# Altium PCB Booster_Main_Board.PcbDoc (part 6 of 13) (continued)
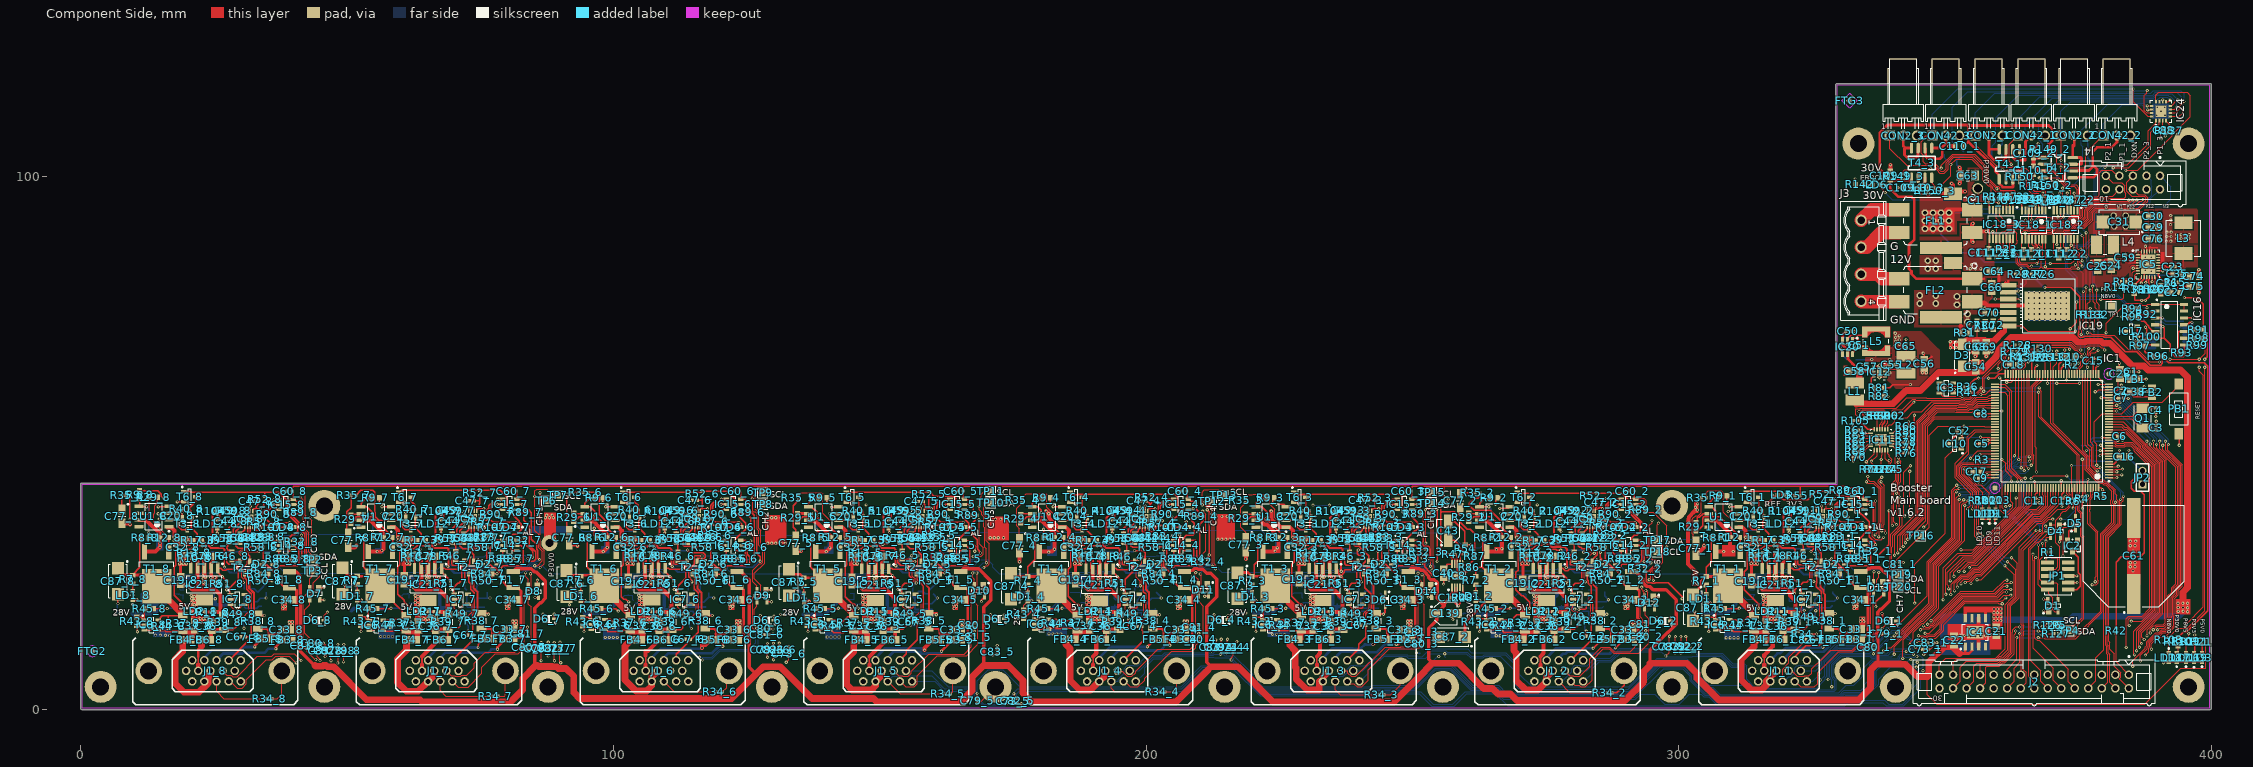
[diagram p0: Component Side view]
## Nets (pads, with @x,y where several pads share a name; then routed paths per layer and width w, separated by ;. In a path a pad name is that pad's centre, name@x,y a point inside that pad or via, vN(x,y) a via of type N, cw(c..) or ccw(c..) an arc to the next point about the centre after c; other vN are vias at no path point) (continued)
; v1@385.314,82.857 IC5.6@386.208,82.857 ; v1(386.483,78.4) 386.521,78.362 R16.1@387.27,78.362 ; C38.1@386.539,59.69 386.521,59.708 387.358,60.546 v1(387.358,60.582) ; v1(388.858,80.317) IC5.13@388.858,81.207 ; v1(389.534,55.042) C4.2@389.534,55.76 ; C3.2@389.636,53.358 v1(389.636,54.127) ; IC5.16@390.008,82.357 v1(390.846,82.357) ; C88.1@391.036,108.283 C88.1@391.059,108.26 ; v1(391.338,107.671) 391.338,107.764 391.219,107.883 391.219,108.1 C88.1@391.059,108.26 ; R137.1@392.071,108.236 392.047,108.26 C88.1@391.059,108.26 ; v1(393.954,49.632) PB1.2@393.954,51.84 ; IC16.11@394.852,72.254 395.459,72.254 395.895,72.69 v1(396.352,72.69) ; IC16.12@394.852,73.524 v1(396.449,73.524) ; R99.1@397.762,68.372 397.88,68.254 v1(398.227,68.254) ; R43_7.1@52.395,15.824 52.346,15.775 R43_7.1@52.396,15.775 ; R43_7.1@52.396,15.775 R43_7.1@52.617,15.554
  Component Side w0.559: LD1_8.1@9.728,20.604 10.432,20.604 v1(10.496,20.669) ; v1(18.593,27.381) 18.728,27.246 C19_8.1@18.728,25.154 ; LD1_7.1@51.9,20.487 52.603,20.487 v1(52.668,20.552) ; C19_7.1@60.757,25.259 60.757,27.625 v1(61.177,28.045) ; LD1_6.1@93.874,20.411 94.578,20.411 v1(94.643,20.476) ; v1(102.593,27.41) 102.819,27.184 C19_6.1@102.819,25.03 ; C19_5.1@144.78,25.005 144.78,26.988 v1(145.202,27.41) ; LD1_4.1@177.773,20.335 178.476,20.335 v1(178.541,20.4) ; v1(186.593,27.41) 186.766,27.237 C19_4.1@186.766,25.259 ; LD1_3.1@219.888,20.376 220.591,20.376 v1(220.656,20.441) ; v1(228.593,27.41) 228.727,27.276 C19_3.1@228.727,25.386 ; LD1_2.1@261.874,20.411 261.936,20.473 262.618,20.473 v1(262.626,20.481) ; v1(270.593,27.41) 270.713,27.29 C19_2.1@270.713,24.598 ; LD1_1.1@305.262,20.007 305.94,20.007 305.958,20.024 v1(305.969,20.024) ; C19_1.1@313.69,25.005 313.69,27.051 313.766,27.127 ; FL2.4@355.078,76.554 357.308,76.554 357.608,76.254
  Component Side w0.762: C77_8.2@7.728,34.954 7.762,34.921 9.062,34.921 v1(9.228,34.754) ; C77_7.2@50.228,30.454 51.428,30.454 v1(51.728,30.754) ; C77_6.2@91.728,30.954 93.028,30.954 v1(93.228,30.754) ; C77_5.2@134.228,29.954 134.428,29.754 v1(135.228,29.754) ; LD1_5.1@135.758,20.127 136.601,20.127 v1(136.728,20.254) ; v1(176.228,27.754) C77_4.2@176.228,29.454 ; v1(218.728,28.254) C77_3.2@218.728,29.663 ; v1(258.958,36.699) C77_2.2@258.958,37.899 ; C77_1.2@303.228,28.954 304.728,30.454 v1(304.728,30.754) ; C109_1.1@339.728,101.054 v1(339.728,102.254) ; v1(349.328,97.154) 349.328,96.854 FL1.4@351.478,96.854 ; v1(350.728,105.754) C110_1.1@351.928,105.754 ; v1(351.228,98.754) 351.478,98.504 FL1.4@351.478,96.854 ; v1(352.728,98.754) 352.828,98.854 C63.1@352.828,100.254 352.828,101.654 v1(352.728,101.754) ; R31.1@352.928,70.754 352.928,71.954 352.978,72.004 ; v1(353.728,97.254) 353.009,97.254 352.609,96.854 FL1.4@351.478,96.854 ; v1(354.703,65.279) 354.728,65.254 C54.2@355.753,65.254 356.978,65.254 v1(357.028,65.304) ; v1(354.703,67.179) C68.1@355.753,67.179 355.753,66.354 v1(355.678,66.279) ; FL2.4@355.078,76.554 355.378,76.254 357.608,76.254 358.038,75.824 IC19.4@361.853,75.824 IC19.8@369.158,75.824 ; v1(355.228,87.754) 355.078,87.904 FL1.4@355.078,89.554 ; v1(355.228,91.254) 355.078,91.104 FL1.4@355.078,89.554 ; IC4.3@356.311,11.853 356.311,13.868 v2(355.676,14.503) 356.311,15.138 IC4.6@356.311,17.153 ; v1(357.728,66.304) C69.1@357.728,67.204 358.728,67.204 v1(358.753,67.179) ; v1(357.728,89.754) 356.794,89.754 356.594,89.554 FL1.4@355.078,89.554 ; v1(377.428,84.054) 377.451,84.077 C25.1@378.65,84.077 379.906,84.077 380.083,84.254 C24.1@381.228,84.254 v1(382.328,84.254) ; v1(397.628,78.254) C75.1@397.628,79.486 ; C74.1@397.628,81.353 v1(397.628,82.554)
  Signal Layer 1 w0.254: v1(256.728,39.504) 257.224,40 271.982,40 273.433,38.549 v1(273.433,38.413) ; v1(356.26,42.774) v1@356.311,42.774
  Solder Side w0.152: IC25.12@389.4,72.923 389.476,72.847 390.804,72.847 391.289,72.362 393.616,72.362 394.274,71.704 IC25.4@394.767,71.704
  Solder Side w0.254: C45_8.2@6.846,18.046 6.846,19.671 6.982,19.808 v1(6.982,19.901) ; R123_8.1@19.261,19.803 20.446,19.803 20.709,20.066 v1(20.803,20.066) ; C84_8.2@25.973,22.338 25.973,21.219 26.319,20.873 29.038,20.873 v1(29.239,20.672) ; J1_8.15@29.558,9.205 J1_8.15@29.765,9.205 ; IC22_8.3@30.633,17.557 C85_8.2@30.633,16.197 30.633,15.279 v1(30.646,15.265) ; IC22_8.5@32.533,20.257 33.085,20.257 33.731,20.904 34.823,20.904 v1(34.783,20.945) C86_8.2@34.783,22.021 ; v1(49.589,23.317) 51.195,23.317 C89_7.2@51.297,23.419 ; C45_7.2@50.825,21.465 50.941,21.465 51.714,22.238 51.714,23.179 51.5,23.393 C89_7.2@51.322,23.393 ; R123_7.1@61.641,19.941 62.673,19.941 62.673,19.912 62.803,20.042 v1(62.803,20.095) ; C84_7.2@68.378,22.394 68.378,20.904 68.581,20.701 v1(71.239,20.701) ; IC22_7.3@72.478,17.401 72.428,17.351 C85_7.2@72.428,16.051 72.72,15.759 v1(72.72,14.707) ; IC22_7.5@74.378,20.101 74.378,20.851 74.461,20.933 76.308,20.933 ; C86_7.2@76.328,22.054 76.328,20.953 76.308,20.933 ; v1(76.823,20.933) 76.308,20.933 ; C45_6.2@91.674,18.175 91.674,19.621 v1(91.728,19.675) ; R123_6.1@103.758,19.531 103.778,19.531 104.159,19.912 104.644,19.912 104.803,20.071 v1(104.803,20.095) ; C84_6.2@110.466,22.064 110.466,20.627 110.728,20.364 IC23_6.1@111.685,20.364 ; IC23_6.1@111.542,20.273 112.759,20.273 v1(113.096,20.61) ; IC22_6.3@114.17,17.414 114.17,15.988 114.328,15.83 114.328,15.519 v1(114.632,15.215) ; IC22_6.5@116.07,20.114 116.939,20.114 117.92,21.095 ; C86_6.2@117.92,21.964 117.92,21.095 ; v1(118.823,20.933) 118.662,21.095 117.92,21.095 ; v1(131.356,17.854) C45_5.2@132.778,17.854 ; R123_5.1@145.177,19.799 146.413,19.799 146.709,20.095 v1(146.803,20.095) ; C84_5.2@152.278,22.254 152.278,20.756 152.586,20.448 154.986,20.448 v1(155.239,20.701) ; v1(155.782,15.754) 156.618,15.754 C85_5.2@156.578,15.794 IC22_5.3@156.578,17.144 ; IC22_5.5@158.478,19.844 159.734,19.844 v1(160.823,20.933) 160.028,21.728 C86_5.2@160.028,21.784 ; C45_4.2@175.436,18.371 175.468,18.338 v1(175.468,16.621) ; R123_4.1@187.704,20.095 v1(188.803,20.095) ; C84_4.2@193.978,22.189 193.978,20.923 194.282,20.619 197.157,20.619 v1(197.239,20.701) ; v1(197.626,15.592) C85_4.2@198.325,15.592 198.378,15.539 IC22_4.3@198.378,17.059 ; J1_4.15@197.804,9.48 J1_4.15@198.011,9.48 ; IC22_4.5@200.278,19.759 200.278,20.126 201.086,20.933 v1(202.823,20.933) 202.823,21.063 C86_4.2@201.908,21.979 ; C45_3.2@217.278,18.13 v1(218.728,18.13) ; R123_3.1@229.372,20.038 230.746,20.038 v1(230.803,20.095) ; C84_1.2@235.979,22.304 235.979,21.054 236.332,20.701 v1(239.239,20.701) ; v1(239.2,15.853) 239.982,15.853 C85_3.2@240.028,15.807 240.278,16.057 IC22_3.3@240.278,17.157 ; J1_3.15@239.804,9.48 J1_3.15@240.011,9.48 ; IC22_3.5@242.178,19.857 243.748,19.857 v1(244.823,20.933) 244.823,20.972 C86_3.2@243.928,21.867 ; C82_3.2@250.778,11.374 250.758,11.354 250.758,10.674 v1(250.738,10.654) 250.804,10.588 251.338,10.588 C79_3.2@251.44,10.485 ; v1(256.528,38.054) 256.728,38.254 v1(256.728,39.504) ; C45_2.2@259.403,17.885 259.641,18.123 260.553,18.123 260.697,18.267 v1(260.771,18.267) ; R123_2.1@271.342,19.941 272.649,19.941 v1(272.803,20.095) ; C84_3.2@278.078,22.331 278.078,20.708 278.155,20.631 281.169,20.631 v1(281.239,20.701) ; J1_2.15@282.05,9.234 J1_2.15@282.623,9.234 ; IC22_2.3@282.328,17.53 282.328,15.03 v1(282.626,14.732) ; IC22_2.5@284.228,20.23 286.397,20.23 v1(286.791,20.625) 286.089,21.328 C86_2.2@286.089,22.13 ; C45_1.2@301.89,18.136 302.076,18.322 v1(302.986,18.322) ; R123_1.1@314.039,19.764 314.892,19.764 314.969,19.841 315.639,19.841 315.803,20.005 v1(315.803,20.095) ; C84_2.2@320.757,21.953 320.757,20.442 320.846,20.353 323.891,20.353 v1(324.239,20.701) ; C85_1.2@325.522,16.244 IC22_1.3@325.522,17.614 325.638,17.73 325.638,18.476 v1(325.704,18.542) ; IC22_1.5@327.422,20.314 329.204,20.314 v1(329.823,20.933) 328.88,21.876 C86_1.2@328.88,22.072 ; R125.2@330.749,70.154 331.072,69.831 333.378,69.831 333.48,69.729 v1(333.574,69.729) ; CON2_3.3@344.379,107.434 CON2_3.3@344.694,107.749 ; v1(352.728,101.754) 352.225,102.257 T11.2@352.225,103.292 352.425,103.292 352.623,103.49 352.623,103.597 352.798,103.772 R139.1@353.489,103.772 ; T7.2@360.63,103.899 360.63,104.099 359.961,104.768 359.961,105 R134.1@359.798,105.163 359.798,105.183 360.769,106.154 CON2_1.3@360.769,107.774 ; T8.2@366.403,103.599 366.403,104.383 366.106,104.68 366.086,104.68 365.923,104.843 R135.1@365.923,104.863 365.923,104.883 366.823,105.784 366.958,105.784 v1(367.462,106.288) ; CON42_1.3@368.769,107.774 368.769,107.329 369.269,106.828 R136.1@369.269,104.882 369.269,104.862 369.687,104.444 369.687,103.816 T9.2@369.885,103.618 ; R121.2@373.628,65.738 374.549,65.738 374.977,65.31 v1(374.977,65.004) ; 375.541,49.537 375.634,49.63 ; v1(376.552,48.654) R120.2@377.38,48.654 ; CON2_2.3@376.794,107.774 376.787,107.767 376.787,103.545 R138.1@376.78,103.539 376.78,103.519 377.118,103.181 377.118,102.463 T10.2@377.306,102.275 ; 377.363,50.635 377.777,51.049 v1(379.431,51.049)
  Solder Side w0.559: C89_1.2@9.754,21.861 C89_1.2@9.754,21.946 ; v1@10.489,20.677 v1(10.496,20.669) ; v1@92.075,22.733 92.468,22.733 93.258,21.943 C89_6.2@93.258,21.768 93.258,21.593 94.353,20.498 v1@94.64,20.498 ; v1@134.518,22.504 134.657,22.504 135.396,21.765 C89_5.2@135.396,21.59 135.396,21.415 136.568,20.244 v1@136.652,20.244 ; v1@176.225,21.92 C89_8.2@177.281,21.92 177.281,21.745 178.511,20.515 v1@178.511,20.472 ; v1@217.957,22.428 218.107,22.278 219.225,22.278 219.47,22.033 C89_2.2@219.47,21.869 219.47,21.694 220.65,20.515 v1@220.65,20.498 ; C89_3.2@261.457,21.819 261.457,21.644 262.56,20.54 v1@262.56,20.447 ; C89_4.2@304.179,21.996 304.179,21.821 305.969,20.031 v1(305.969,20.024) ; v1@385.75,69.266 386.22,68.796 R143.1@387.274,68.796 ; R143.1@387.426,68.504 388.087,67.843 IC25.8@389.4,67.843 ; R143.1@387.463,68.936 387.641,69.113 IC25.9@389.4,69.113 ; IC25.7@394.8,67.843 397.84,67.843 v1@398.221,68.224 ; IC25.6@394.8,69.113 396.421,69.113 396.748,68.786 396.748,67.894 ; IC25.5@394.8,70.383 396.141,70.383 396.469,70.711 396.469,71.445 ; IC25.4@394.8,71.653 396.36,71.653 ; v1@396.367,72.695 396.36,72.688 396.36,71.653 ; 396.443,71.679 396.418,71.653 396.36,71.653
  other v1: 311.125,13.464 308.894,13.474 309.632,13.474 310.377,13.474 100.705,13.535 98.474,13.546 99.212,13.546 99.957,13.546 142.339,13.613 140.108,13.623 140.846,13.623 141.591,13.623 56.282,13.718 57.02,13.718 57.765,13.718 58.513,13.708 265.719,13.861 266.457,13.861 267.202,13.861 267.95,13.851 357.607,13.868 16.684,13.892 358.394,13.894 353.593,13.919 15.874,13.949 352.781,13.97 14.03,13.984 14.945,13.984 225.971,14.094 223.74,14.104 224.478,14.104 225.223,14.104 184.002,14.2 181.771,14.21 182.509,14.21 183.254,14.21 39.116,15.824 39.751,15.824 291.109,15.926 291.744,15.926 81.128,15.977 81.763,15.977 207.137,15.977 207.772,15.977 165.1,16.002 165.735,16.002 249.098,16.002 249.733,16.002 123.114,16.027 123.749,16.027 39.116,16.408 22.428,16.434 23.622,16.434 39.7,16.434 23.038,16.459 64.428,16.463 65.622,16.463 106.428,16.463 107.622,16.463 148.428,16.463 149.622,16.463 190.428,16.463 191.622,16.463 232.428,16.463 233.622,16.463 274.428,16.463 275.622,16.463 317.428,16.463 318.622,16.463 65.038,16.488 107.038,16.488 149.038,16.488 191.038,16.488 233.038,16.488 275.038,16.488 318.038,16.488 291.109,16.51 334.112,16.51 334.747,16.51 291.694,16.535 81.128,16.561 207.137,16.561 81.712,16.586 165.1,16.586 207.721,16.586 249.098,16.586 123.114,16.612 165.684,16.612 249.682,16.612 123.698,16.637 23.597,17.018 22.403,17.043 23.012,17.043 65.597,17.047 107.597,17.047 149.597,17.047 191.597,17.047 233.597,17.047 275.597,17.047 318.597,17.047 64.403,17.072 65.012,17.072 106.403,17.072 107.012,17.072 148.403,17.072 149.012,17.072 190.403,17.072 191.012,17.072 232.403,17.072 233.012,17.072 274.403,17.072 275.012,17.072 317.403,17.072 318.012,17.072 334.112,17.094 334.696,17.12 66.105,17.403 66.714,17.403 108.105,17.403 108.714,17.403 150.105,17.403 150.714,17.403 192.105,17.403 192.714,17.403 234.105,17.403 234.714,17.403 276.105,17.403 276.714,17.403 319.105,17.403 319.714,17.403 21.717,17.577 63.717,17.606 105.717,17.606 147.717,17.606 189.717,17.606 231.717,17.606 273.717,17.606 316.717,17.606 20.98,17.805 62.98,17.834 104.98,17.834 146.98,17.834 188.98,17.834 230.98,17.834 272.98,17.834 315.98,17.834 37.948,18.948 79.948,18.977 121.948,18.977 163.948,18.977 205.948,18.977 247.948,18.977 289.948,18.977 332.948,18.977 20.904,19.202 62.904,19.231 104.904,19.231 146.904,19.231 188.904,19.231 230.904,19.231 272.904,19.231 315.904,19.231 21.717,19.253 63.717,19.282 105.717,19.282 147.717,19.282 189.717,19.282 231.717,19.282 273.717,19.282 316.717,19.282 38.405,19.355 80.405,19.384 122.405,19.384 164.405,19.384 206.405,19.384 248.405,19.384 290.405,19.384 258.609,19.454 37.846,19.609 79.846,19.638 121.846,19.638 163.846,19.638 205.846,19.638 247.846,19.638 289.846,19.638 332.846,19.638 21.285,19.685 63.285,19.714 105.285,19.714 147.285,19.714 189.285,19.714 231.285,19.714 273.285,19.714 316.285,19.714 21.311,20.447 63.311,20.476 105.311,20.476 147.311,20.476 189.311,20.476 231.311,20.476 273.311,20.476 316.311,20.476 20.828,20.803 62.828,20.832 104.828,20.832 146.828,20.832 188.828,20.832 230.828,20.832 272.828,20.832 315.828,20.832 21.311,21.158 63.311,21.187 105.311,21.187 147.311,21.187 189.311,21.187 231.311,21.187 273.311,21.187 316.311,21.187 20.752,21.438 62.76,21.461 104.752,21.467 146.752,21.467 188.752,21.467 230.752,21.467 272.752,21.467 315.752,21.467 23.444,23.495 191.503,23.477 65.444,23.524 107.444,23.524 149.444,23.524 233.444,23.524 275.444,23.524 318.444,23.524 22.987,23.876 191.046,23.858 64.987,23.905 106.987,23.905 148.987,23.905 232.987,23.905 274.987,23.905 317.987,23.905 23.495,24.206 191.554,24.188 65.495,24.235 107.495,24.235 149.495,24.235 233.495,24.235 275.495,24.235 318.495,24.235 22.962,24.536 191.02,24.518 64.962,24.565 106.962,24.565 148.962,24.565 232.962,24.565 274.962,24.565 317.962,24.565 259.087,24.657 257.905,24.698 23.444,24.892 191.503,24.874 65.444,24.921 107.444,24.921 149.444,24.921 233.444,24.921 275.444,24.921 318.444,24.921 22.922,25.151 190.969,25.178 64.911,25.226 106.911,25.226 148.911,25.226 232.911,25.226 274.911,25.226 317.911,25.226 257.905,25.504 19.787,27.356 19.202,27.381 61.787,27.385 103.787,27.385 145.787,27.385 187.787,27.385 229.787,27.385 271.787,27.385 314.787,27.385 61.202,27.41 103.202,27.41 187.202,27.41 229.202,27.41 271.202,27.41 313.593,27.41 314.202,27.41 19.177,28.016 19.787,28.016 18.567,28.042 61.787,28.045 103.177,28.045 103.787,28.045 145.177,28.045 145.787,28.045 187.177,28.045 187.787,28.045 229.177,28.045 229.787,28.045 271.177,28.045 271.787,28.045 314.177,28.045 314.787,28.045 60.567,28.071 102.567,28.071 144.567,28.071 186.567,28.071 228.567,28.071 270.567,28.071 313.567,28.071 385.267,29.718 384.759,30.734 385.648,30.734 384.759,31.623 385.775,31.623 147.433,38.413 18.123,38.989 72.128,39.224 239.97,39.298 335.153,55.626 331.267,62.967 345.77,63.221 346.456,63.221 331.267,63.627 331.267,64.237 354.728,82.754 355.728,82.754 356.728,82.754 385.314,82.845 354.978,83.504 355.728,83.754 379.928,84.054 391.588,87.95 392.401,87.95 393.468,88.407 394.306,88.407 395.093,88.407 395.778,88.404 391.614,88.788 392.426,88.788 393.468,89.119 394.306,89.119 395.093,89.119 395.83,89.119 391.639,89.627 392.452,89.627 392.325,91.049 392.35,91.887 392.376,92.725
  other v2: 354.686,13.665 355.727,13.691 356.718,13.691 354.711,14.453 356.667,14.478 355.651,15.215 354.686,15.24 356.616,15.265 337.617,50.317 338.353,50.317 337.617,50.978 338.353,50.978 337.668,62.281 337.668,63.83 337.693,64.643 365.728,73.254 366.728,73.254 367.728,73.254 368.728,73.254 369.728,73.254 370.728,73.254 371.728,73.254 372.728,73.254 365.728,74.254 366.728,74.254 367.728,74.254 368.728,74.254 369.728,74.254 370.728,74.254 371.728,74.254 372.728,74.254 365.728,75.254 366.728,75.254 367.728,75.254 368.728,75.254 369.728,75.254 370.728,75.254 371.728,75.254 372.728,75.254 365.728,76.254 366.728,76.254 367.728,76.254 368.728,76.254 369.728,76.254 370.728,76.254 371.728,76.254 372.728,76.254 365.728,77.254 366.728,77.254 367.728,77.254 368.728,77.254 369.728,77.254 370.728,77.254 371.728,77.254 372.728,77.254 365.728,78.254 366.728,78.254 367.728,78.254 368.728,78.254 369.728,78.254 370.728,78.254 371.728,78.254 372.728,78.254 389.763,111.582 391.287,111.582 390.536,112.33 389.814,113.055 391.236,113.079
  other v3: 31.072,35.285 32.072,35.285 73.072,35.314 74.072,35.314 115.072,35.314 116.072,35.314 157.072,35.314 158.072,35.314 199.072,35.314 200.072,35.314 241.072,35.314 242.072,35.314 283.072,35.314 284.072,35.314 326.072,35.314 327.072,35.314 31.572,35.785 73.572,35.814 115.572,35.814 157.572,35.814 199.572,35.814 31.072,36.285 32.072,36.285 73.072,36.314 74.072,36.314 115.072,36.314 116.072,36.314 157.072,36.314 158.072,36.314 199.072,36.314 200.072,36.314 241.072,36.314 242.072,36.314 283.072,36.314 284.072,36.314 326.072,36.314 327.072,36.314
  other v4: 354.228,72.754 354.228,74.254 352.228,75.995 345.228,76.254 348.228,76.254 352.228,77.531 345.228,77.754 348.228,77.754 346.728,82.754 348.228,82.754 346.728,84.254 348.228,84.254
  other v5: 383.928,90.754 383.928,92.754
HWREV0: IC1.10 R119.1 | length 2.6
  Component Side w0.152: v1(379.095,47.701) 379.442,48.049 IC1.10@380.753,48.049
  Solder Side w0.152: R119.1@378.32,47.67 379.064,47.67 v1(379.095,47.701)
HWREV1: IC1.11 R120.1 | length 2.5
  Component Side w0.152: v1(379.125,48.654) 379.231,48.549 IC1.11@380.753,48.549
  Solder Side w0.152: R120.1@378.32,48.654 v1(379.125,48.654)
HWREV2: IC1.12 R106.1 | length 2.8
  Component Side w0.152: v1(379.222,49.632) 379.222,49.501 379.674,49.049 IC1.12@380.753,49.049
  Solder Side w0.152: R106.1@378.303,49.632 v1(379.222,49.632)
HWREV3: IC1.49 R121.1 | length 4.4
  Component Side w0.152: v1(372.803,61.856) IC1.49@372.803,62.999
  Solder Side w0.152: v1(372.803,61.856) 372.803,63.972 R121.1@373.628,64.798